# Altium PCB PCB_LoraE32_Receive_V1.0.PcbDoc
Units mm, origin at the board's own origin, x right, y up, seen from the top; angles counter-clockwise.
Board outline 83.87 x 68.49 mm, 2 copper layers (Top Layer, Bottom Layer); 18 components, 19 nets, 96 pads, 5 vias.
Unrouted connection lines stored in the file: 1.
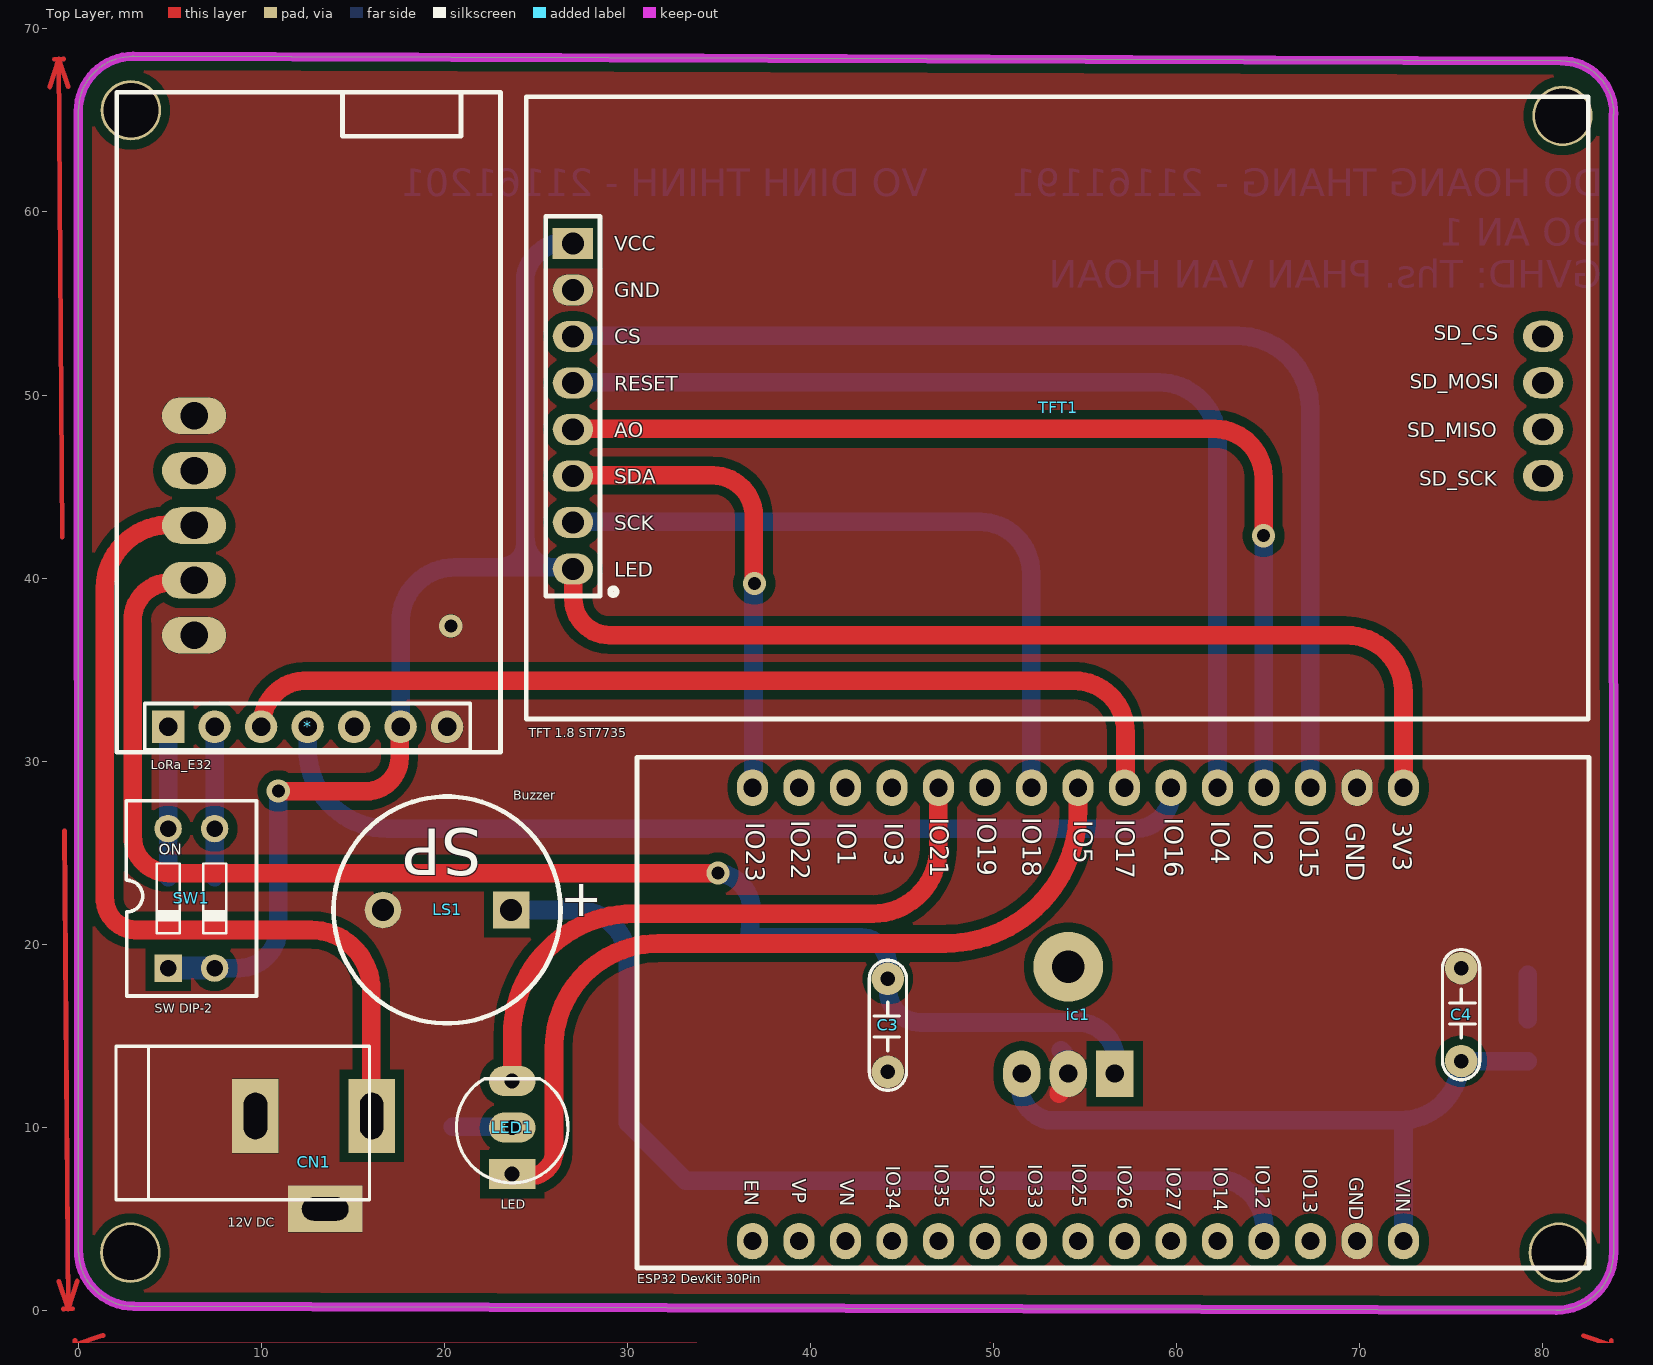
[diagram p0: Top Layer view]
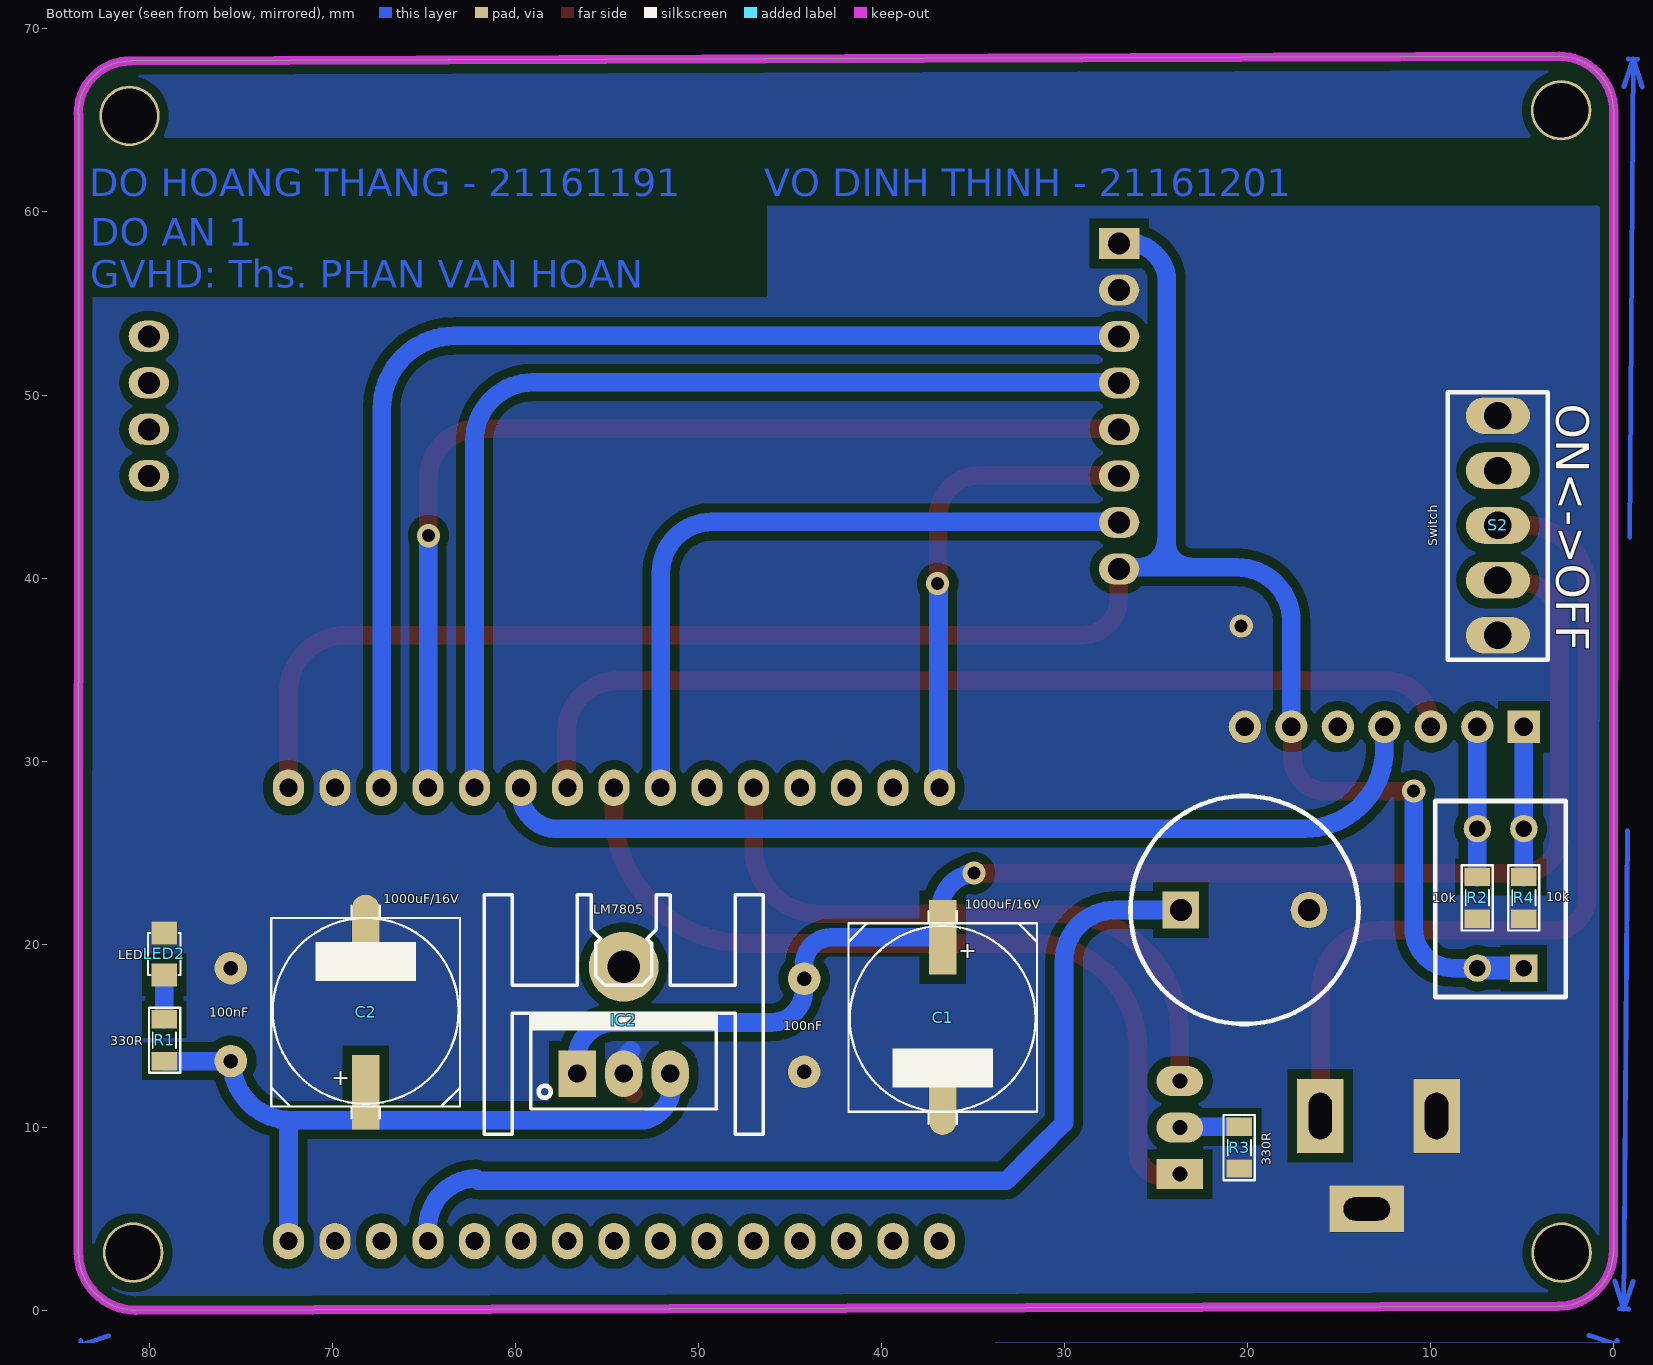
[diagram p1: Bottom Layer view, seen from below]

## Layer stack, top to bottom
Top Solder: solder mask 0.0102, Solder Resist, Dk 3.5
Top Layer: signal copper 0.0356
Dielectric 1: dielectric 0.32, FR-4, Dk 4.8
Bottom Layer: signal copper 0.0356
Bottom Solder: solder mask 0.0102, Solder Resist, Dk 3.5

## Board outline
3.022,0.219 cw(c3.047,3.257) 0.008,3.281 0.001,65.508 0,65.508 cw(c2.994,65.508) 2.994,68.501 81.003,68.251 cw(c81.026,65.407) 83.87,65.338 83.845,65.329 83.867,3.172 cw(c80.722,3.151) 80.737,0.006

## Design rules (kind name [scope] priority, off if disabled: settings)
Clearance [All] p1: gap=0.508 ignorepadtopadclearanceinfootprint=FALSE
PlaneConnect [All] p1: planeconnectstyle=Relief reliefexpansion=0.762 reliefentries=4 reliefconductorwidth=0.254 reliefairgap=0.254
PolygonConnect [All] p1: connectstyle=Relief reliefconductorwidth=0 reliefentries=4 polygonreliefangle="90 Angle" airgapwidth=0
RoomDefinition Sheet_LoraE32_Receive_V1.0 [InComponentClass('Sheet_LoraE32_Receive_V1.0')] p1: confinementstyle=ConfineIn formatcopy=TRUE lockcomponents=FALSE outline -39.624,-57.658 11.176,-57.658 11.176,-32.258 -39.624,-32.258
RoutingVias [All] p1: holewidth=0.8 width=1.7 viastyle="Through Hole" minholewidth=0.711 minwidth=1.27 maxholewidth=0.711 maxwidth=1.27
SolderMaskExpansion [All] p1: expansion=0.102 istentingtop=FALSE
Width [All] p1: maxlimit=1.778 minlimit=0.508 preferedwidth=1.016 minimp=50.000000 maximp=50.000000 favimp=50.000000
29 further rules are at their usual default settings.

## Components (designator, comment, footprint, x,y, rotation, side; value= is the part's Value field where it differs from the comment)
* "LoRa_E32" LoRa_E32 11.125,28.448 r90 top
C1 "1000uF/16V" CAP-ALU-SMD-G 36.652,15.926 r270 bottom
C2 "1000uF/16V" CAP-ALU-SMD-G 68.174,16.358 r90 bottom
C3 "100nF" CN2 44.221,13.03 r90 top value=0.1uF
C4 "100nF" CN2 75.54,18.694 r270 top value=0.1uF
CN1 "12V DC" DC-IN 12.852,8.077 r0 top value="Jac DC"
ic1 "ESP32 DevKit 30Pin" "ESP32 DevKit V1 30Pin CAo" 84.895,33.274 r180 top
IC2 "LM7805" TO220H1 54.077,12.929 r180 bottom
LED1 "LED" LED-52 23.698,7.442 r90 top value="LED 3 - 5 ly 2 Colour"
LED2 "LED" LED-0805-Green 79.172,18.324 r90 bottom value="LED 3 - 5 ly 2 Colour"
LS1 "Buzzer" SPEAKER 20.142,21.869 r180 top
R1 "330R" RES-SMD-0805 79.172,14.757 r90 bottom
R2 "10k" RES-SMD-0805 7.442,22.53 r270 bottom
R3 "330R" RES-SMD-0805 20.447,8.89 r270 bottom
R4 "10k" RES-SMD-0805 4.902,22.53 r270 bottom
S2 "Switch" Switch 6.325,48.875 r270 bottom
SW1 "SW DIP-2" DIPSW2 4.902,18.694 r0 top
TFT1 "TFT 1.8 ST7735" "TFT 1.8 ST7735" 53.518,49.301 r0 top

## Footprints (in the part's own frame and the unit in brackets; to place one, negate y for a bottom-side part, rotate by r counter-clockwise, add the part's x,y. Pads: shape width x height; smd on the part's side, far side on the other; paste and mask are expansions set on the pad)
CAP-ALU-SMD-G [mil]
  rect 160x59.06 smd: 1(-175,0)
  oval 160x59.06 smd: 2(170,0)
  silkscreen extent -231,-203 226,203, body extent -233,-203 223,203, height 402
CN2 [mil]
  round 70 hole 31: 1(0,0) 2(200,0)
  silkscreen extent -40,-40 240,40, body extent -54,-44 260,55, height 407
DC-IN [mil] "Jac DC input"
  rect 100x160 hole 50 slot 100 at 90 deg: 1(125,100) 2(-125,100)
  rect 160x100 hole 50 slot 100 at 0 deg: 3(25,-100)
  silkscreen extent -425,-80 120,250, body extent -410,-105 134,269, height 434
DIPSW2 [mm]
  rect 1.5x1.5 hole 0.9: 1(0,0)
  round 1.5 hole 0.9: 2(2.54,0) 3(2.54,7.62) 4(0,7.62)
  silkscreen extent -2.27,-1.53 4.83,9.14, body extent -2.02,-1.27 4.56,8.89, height 7.11
"ESP32 DevKit V1 30Pin CAo" [mm]
  oval 1.7x2 hole 1: 1(12.505,4.719) 2(15.045,4.719) 3(17.585,4.719) 4(20.125,4.719) 5(22.665,4.719) 6(25.205,4.719) 7(27.745,4.719) 8(30.285,4.719) 9(32.825,4.719) 10(35.365,4.719) 11(37.905,4.719) 12(40.445,4.719) 13(42.985,4.719) 14(45.525,4.719) 15(48.065,4.719) 16(48.065,29.489) 17(45.525,29.489) 18(42.985,29.489) 19(40.445,29.489) 20(37.905,29.489) 21(35.365,29.489) 22(32.825,29.489) 23(30.285,29.489) 24(27.745,29.489) 25(25.205,29.489) 26(22.665,29.489) 27(20.125,29.489) 28(17.585,29.489) 29(15.045,29.489) 30(12.505,29.489)
  silkscreen extent 2.38,3.06 54.38,30.96, body extent 2.54,2.91 53.47,31.41, height 13.7
LED-52 [mil] "LED 3 PIN, 5 ly , Two colour"
  rect 65x100 hole 32: 1(0,0)
  oval 65x100 hole 32: 2(100,0) 3(200,0)
  silkscreen extent -19,-120 205,120, body extent -16,-116 210,116, height 427
LED-0805-Green [mil]
  rect 50x55 smd: 1(0,0) 2(90,0)
  silkscreen extent 0,-35 90,35, body extent 5,-25 85,25, height 43
LoRa_E32 [mil]
  rect 70x70 hole 40: 1(135,245)
  round 70 hole 40: 2(135,145) 3(135,45) 4(135,-55) 5(135,-155) 6(135,-255) 7(135,-355)
  silkscreen extent 80,-470 1500,355, body extent 75,-470 1985,357, height 311
RES-SMD-0805 [mil]
  rect 39.37x55 smd: 1(-45,0) 2(45,0)
  silkscreen extent -70,-34 70,33, body extent -39,-25 39,25, height 31
SPEAKER [mm] "Speaker footprint"
  rect 2x2 hole 1.2: 1(-3.5,0)
  round 2 hole 1.2: 2(3.5,0)
  silkscreen extent -6.2,-6.2 6.2,6.2, body extent -6.2,-6.2 6.2,6.2, height 10.02
Switch [mm]
  oval 2x3.5 hole 1.5: 1(3,0) 2(6,0) 3(9,0) 4(0,0) 5(12,0)
  silkscreen extent -1.27,-2.73 13.34,2.73, body extent -0.5,-2.85 12.5,9.35, height 2.6
"TFT 1.8 ST7735" [mm] "TFT LCD Display ST7735 1.8 inch RED"
  oval 2.2x1.7 hole 1.2: 0(26.502,-3.713) 0(26.502,-1.173) 0(26.502,1.367) 0(26.502,3.907) 1(-26.502,-8.798) 2(-26.502,-6.258) 3(-26.502,-3.718) 4(-26.502,-1.178) 5(-26.502,1.362) 6(-26.502,3.902) 7(-26.502,6.442)
  rect 2.2x1.7 hole 1.2: 8(-26.502,8.982)
  round 3.6 on Top Overlay: ""(-26.045,-14) ""(-26.045,14) ""(25.955,-14) ""(25.955,14)
  silkscreen extent -29.05,-17 28.95,17, body extent -29.05,-17.23 28.95,17.27, height 7.16
TO220H1 [mil] "TO-220 - 1-2-3"
  round 150 hole 70: 0(0,230)
  rect 80x100 hole 39: 1(-100,0)
  oval 80x100 hole 39: 2(0,0) 3(100,0)
  silkscreen extent -300,-130 300,385, body extent -246,-82 250,329, height 1000

## Part data
C1 C2: library part CN-ALU-SMD, "Polarized Capacitor (Axial)", LatestRevisionDate=17-Jul-2002, LatestRevisionNote="Re-released for DXP Platform.", PackageReference=POLAR0.8, Published=8-Jun-2000, Publisher="Altium Limited"
C3 C4: library part CN2, "Cap np 104 => 105pF"
CN1: library part DCIN, "Jac DC input"
IC2: library part LM78xx, "Positive Voltage Regulator", ComponentLink1Description="Manufacturer Link", ComponentLink1URL=http://www.st.com/, ComponentLink2Description=Datasheet, ComponentLink2URL=http://www.st.com/stonline/products/literature/ds/2146/l78m05c.pdf, DatasheetVersion=Apr-1994, LatestRevisionDate=17-Jul-2002, LatestRevisionNote="Re-released for DXP Platform.", Note="Tab is connected to pin 3 (GND).", PackageDescription="TO, Thru-Hole, Vertical, Heatsink Mounted; 3 In-Line Leads; Pitch 2.54 mm; Pin sequence 1, 3, 2", PackageReference=ISOWATT220AB, PackageVersion=Jul-1998, Published=24-Aug-2001, Publisher="Altium Limited"
LED1: library part "LED 2A", "Anot Comment Green and Red"
LED2: library part "LED SMD"
LS1: library part Speaker, "Loudspeaker", LatestRevisionDate=17-Jul-2002, LatestRevisionNote="Re-released for DXP Platform.", PackageReference=PIN2, Published=24-Mar-1999, Publisher="Altium Limited"
R1 R2 R3 R4: library part Res-SMD, "Resistor", Manufacturer="Generic Components", Class=Passive, Published=08/06/2000, Publisher="Altium Hobart Technology Centre"
SW1: "DIP Switch, 2 Position, SPST", ComponentLink1Description="Digikey Part Link", ComponentLink2Description="Open Datasheet", ComponentLink2URL=H:\LIBRARY\LIBRARY.Datasheet\, LatestRevisionDate=17-Jul-2002, LatestRevisionNote="Re-released for DXP Platform.", PackageReference=DIP-4, Published=24-Mar-1999, Publisher="Altium Limited", Vendor=Digikey
TFT1: "TFT LCD 1.8 inch RED BLUE 8pin", ComponentLink1Description="New link", ComponentLink1URL=https://grabcad.com/library/1-8-tft-128x160-spi-step-1

## Free pads (board coordinates)
  round 3.3 hole 3: 0(2.845,3.15) 0(2.87,65.557) 0(80.874,3.15) 0(81.077,65.253)

## Via types
v1: diameter 1.27, hole 0.711, Top Layer to Bottom Layer, 5 vias

## Nets (pads, with @x,y where several pads share a name; then routed paths per layer and width w, separated by ;. In a path a pad name is that pad's centre, name@x,y a point inside that pad or via, vN(x,y) a via of type N, cw(c..) or ccw(c..) an arc to the next point about the centre after c; other vN are vias at no path point)
3.3V: *.6 ic1.1 SW1.1 SW1.2 TFT1.1 TFT1.8 | length 120.5
  Top Layer w1.016: v1(10.922,28.372) 10.947,28.346 15.697,28.346 ccw(c15.697,30.201) 17.551,30.201 17.551,31.826 *.6 ; TFT1.1@27.041,40.529 27.041,38.875 ccw(c29.032,38.872) 29.035,36.881 69.266,36.881 cw(c69.266,33.757) 72.39,33.757 ic1.1
  Bottom Layer w1.016: SW1.2 8.763,18.694 ccw(c8.763,20.853) 10.922,20.853 v1(10.922,28.372) ; *.6 17.602,37.617 cw(c20.574,37.617) 20.574,40.589 23.165,40.589 25.086,40.589 ; 23.165,40.615 ccw(c23.076,41.974) 24.435,42.062 ccw(c25.971,42.125) TFT1.1@26.033,40.589 ; TFT1.1@27.041,40.529 26.981,40.589 TFT1.1@26.033,40.589 ; TFT1.8@27.041,58.309 26.449,58.34 ccw(c26.627,56.101) 24.419,56.515 24.419,56.091 24.419,56.022 24.419,42.062 24.419,41.256 25.086,40.589 ; 25.086,40.589 TFT1.1@26.033,40.589
  Bottom Layer w1.27: SW1.1 SW1.2
5V: C2.1 C4.2 ic1.30 IC2.3 R1.1 | length 38
  Bottom Layer w1.016: IC2.3 51.483,12.683 51.482,12.679 ccw(c53.36,12.267) 52.948,10.389 53.561,10.389 68.174,10.389 72.263,10.389 ; 72.314,10.389 72.267,10.389 ; ic1.30 72.39,10.389 ; R1.1 C4.2 75.489,13.614 cw(c72.263,13.614) 72.267,10.389 ; 72.263,10.389 ccw(c72.263,13.614) 72.267,10.389 ; 72.263,10.389 72.267,10.389
D2: ic1.4 TFT1.4 | length 56.2
  Top Layer w1.016: TFT1.4@27.041,48.149 62.062,48.149 cw(c62.062,45.466) 64.745,45.466 64.745,45.463 v1(64.745,42.316)
  Bottom Layer w1.016: v1(64.745,42.316) 64.757,42.304 64.757,28.567 ic1.4
D4: ic1.5 TFT1.5 | length 56
  Bottom Layer w1.016: TFT1.5@27.041,50.689 59.039,50.689 cw(c59.039,47.498) 62.23,47.498 ic1.5
D5: ic1.8 LED1.1 | length 46
  Top Layer w1.016: LED1.1 24.476,7.345 ccw(c24.647,8.682) 25.984,8.515 25.984,10.027 25.984,14.326 cw(c31.699,14.326) 31.699,20.041 47.342,20.041 47.346,20.041 ccw(c47.346,27.305) 54.61,27.305 54.61,27.308 ic1.8
D12: ic1.27 LS1.1 | length 55.2
  Bottom Layer w1.016: LS1.1 27.229,21.869 cw(c27.229,19.071) 30.027,19.071 30.027,12.365 30.027,10.231 31.536,8.722 33.172,7.087 62.023,7.087 62.15,7.214 cw(c62.046,4.468) 64.792,4.364 64.792,4.361 ic1.27
D15: ic1.3 TFT1.6 | length 63.2
  Bottom Layer w1.016: TFT1.6@27.041,53.229 63.332,53.229 cw(c63.332,49.276) 67.285,49.276 67.285,49.273 67.285,28.58 ic1.3
D18: ic1.9 TFT1.2 | length 38.3
  Bottom Layer w1.016: TFT1.2@27.041,43.069 49.26,43.069 cw(c49.26,40.284) 52.045,40.284 52.045,28.58 ic1.9
D21: ic1.11 LED1.3 | length 34.9
  Top Layer w1.016: LED1.3 23.698,15.034 23.698,15.037 cw(c30.328,15.037) 30.328,21.666 43.409,21.666 ccw(c43.409,25.236) 46.979,25.236 46.979,28.543 ic1.11
D23: ic1.15 TFT1.3 | length 26
  Top Layer w1.016: TFT1.3@27.041,45.609 34.655,45.609 cw(c34.655,43.358) 36.906,43.358 36.906,39.726 v1(36.932,39.7)
  Bottom Layer w1.016: ic1.15 36.883,28.608 36.883,39.652 v1(36.932,39.7)
GND: *.7 C1.2 C2.2 C3.1 C4.1 CN1.2 CN1.3 ic1.2 ic1.29 IC2.2 LED2.2 LS1.2 R2.2 R3.2 R4.2 S2.4 S2.5 TFT1.7 | length 1.5
  Top Layer w1.016: IC2.2@53.569,11.833 IC2.2@53.569,11.892
  Bottom Layer w1.016: 53.678,14.199 53.882,13.994 53.882,13.123 IC2.2
  other v1: 20.345,37.389
Net*_1: *.1 R4.1 SW1.4 | length 8.2
  Bottom Layer w1.016: R4.1 SW1.4 *.1
Net*_2: *.2 R2.1 SW1.3 | length 8.2
  Bottom Layer w1.016: R2.1 SW1.3 *.2
NetC1_1: C1.1 C3.2 IC2.1 S2.3 | length 79.1
  Top Layer w1.016: S2.3 4.843,39.751 ccw(c5.011,37.714) 2.969,37.626 2.975,37.543 2.975,37.505 2.975,25.883 ccw(c4.969,25.88) 4.972,23.885 v1(34.941,23.885)
  Bottom Layer w1.016: v1(34.941,23.885) 34.941,23.882 cw(c34.764,21.877) 36.769,21.701 36.769,21.698 C1.1 42.748,20.371 cw(c42.748,18.898) 44.221,18.898 C3.2 44.221,17.551 ccw(c46.05,17.551) 46.05,15.723 54.257,15.723 54.805,15.723 cw(c54.557,13.612) 56.668,13.364 56.667,13.36 IC2.1
NetCN1_1: CN1.1 S2.2 | length 48.1
  Top Layer w1.016: S2.2 5.095,42.912 5.092,42.912 ccw(c4.986,39.368) 1.442,39.475 1.442,39.458 1.451,22.606 1.451,22.586 ccw(c3.183,22.509) 3.106,20.777 3.134,20.777 12.7,20.777 cw(c12.7,17.475) 16.002,17.475 16.002,17.472 16.002,10.643 CN1.1
NetLED1_2: LED1.2 R3.1 | length 3.3
  Bottom Layer w1.016: R3.1 20.455,10.025 23.655,10.025 LED1.2
NetLED2_1: LED2.1 R1.2 | length 2.4
  Bottom Layer w1.016: R1.2 LED2.1
RX2: *.3 ic1.7 | length 53.4
  Top Layer w1.016: *.3 10.025,31.879 cw(c12.426,31.991) 12.314,34.392 12.341,34.392 54.407,34.392 cw(c54.407,31.598) 57.201,31.598 57.201,28.605 ic1.7
TX2: *.4 ic1.6 | length 52.3
  Bottom Layer w1.016: *.4 12.522,30.683 ccw(c16.891,30.683) 16.891,26.314 57.704,26.314 57.853,26.314 ccw(c57.737,28.277) 59.7,28.392 59.699,28.395 ic1.6
pads on no net: *.5 ic1.10 ic1.12 ic1.13 ic1.14 ic1.16 ic1.17 ic1.18 ic1.19 ic1.20 ic1.21 ic1.22 ic1.23 ic1.24 ic1.25 ic1.26 ic1.28 IC2.0 S2.1 TFT1. TFT1.0

## Polygon pours and split planes (outlines as drawn)
GND on Top Layer "NONET_L-01_P-001" (solid, pour order 1): 0,68.453 83.845,68.453 83.845,0 0,0
GND on Bottom Layer "NONET_L-01_P-001" (solid, pour order 0): 0,68.453 83.82,68.453 83.82,0 0,0

## Keep-outs
Keep-Out Layer:
  lines w0.508: 83.845,65.329 83.867,3.172 cw(c80.722,3.151) 80.737,0.006 3.022,0.219 cw(c3.047,3.257) 0.008,3.281 0.001,65.508 cw(c2.994,65.508) 2.994,68.501 81.003,68.251 cw(c81.026,65.407) 83.87,65.338

## Other copper
Top Layer:
  pour cut-out: 25.15,22.861 34.398,22.861 34.398,22.696 34.13,22.428 26.927,22.428 25.266,20.767 25.214,20.819 25.15,20.819
  pour cut-out: 24.723,13.725 24.723,17.433 27.534,20.244 27.602,20.175 28.106,20.175 28.106,20.041 28.112,20.034 24.959,16.881 24.959,13.72 24.728,13.72
  pour cut-out: 2.486,39.665 3.048,40.226 3.048,41.504 3.48,41.935 5.359,41.935 5.359,41.749 3.275,39.665
Bottom Layer:
  pour cut-out: 5.948,30.459 6.417,30.459 6.417,22.847 6.236,22.665 6.109,22.665 6.109,30.298
  text "DO HOANG THANG - 21161191       VO DINH THINH - 21161201" at 83.261,60.858 h1.52
  text "DO AN 1 / GVHD: Ths. PHAN VAN HOAN" at 83.21,55.855 h1.52
Multi-Layer:
  lines w0.254: -1.563,66.824 -1.067,68.351 ; -1.321,68.35 -0.813,68.353 ; -1.078,1.596 -0.559,0.076 ; -0.873,42.238 -1.067,68.351 ; -0.813,0.074 -0.305,0.078 ; -0.753,26.19 -0.559,0.076 ; -0.547,66.831 -1.067,68.351 ; -0.178,-2.134 -0.178,-1.626 ; -0.062,1.604 -0.559,0.076 ; 1.346,-2.388 -0.178,-1.88 ; 1.346,-1.372 -0.178,-1.88 ; 33.759,-1.89 -0.178,-1.88 ; 49.807,-1.895 83.744,-1.905 ; 82.22,-2.413 83.744,-1.905 ; 82.22,-1.397 83.744,-1.905 ; 83.744,-2.159 83.744,-1.651
  text "68.277 (mm)" at -1.785,41.977 h1.52 r270.43
  text "83.922 (mm)" at 34.013,-2.804 h1.52 r359.98

## Text inside footprints (layer, text, board x,y; h text height)
C1: Bottom Overlay "+" at 35.677,20.126 h0.89 r90
C2: Bottom Overlay "+" at 69.149,12.158 h0.89 r270
ic1: Top Overlay "EN" at 36.405,7.124 h0.76 r270; Top Overlay "VP" at 39.005,7.184 h0.76 r270; Top Overlay "VN" at 41.615,7.154 h0.76 r270; Top Overlay "IO34" at 44.135,7.894 h0.76 r270; Top Overlay "IO35" at 46.795,8.004 h0.76 r270; Top Overlay "IO32" at 49.255,7.974 h0.76 r270; Top Overlay "IO33" at 51.885,7.974 h0.76 r270; Top Overlay "IO25" at 54.305,8.024 h0.76 r270; Top Overlay "IO26" at 56.775,7.964 h0.76 r270; Top Overlay "IO27" at 59.455,7.854 h0.76 r270; Top Overlay "IO14" at 62.025,7.854 h0.76 r270; Top Overlay "IO12" at 64.315,7.964 h0.76 r270; Top Overlay "IO13" at 66.905,7.734 h0.76 r270; Top Overlay "GND" at 69.435,7.284 h0.76 r270; Top Overlay "VIN" at 71.995,7.134 h0.76 r270; Top Overlay "IO23" at 36.485,26.664 h1.02 r270; Top Overlay "IO22" at 38.945,26.784 h1.02 r270; Top Overlay "IO1" at 41.475,26.664 h1.02 r270; Top Overlay "IO3" at 44.055,26.624 h1.02 r270; Top Overlay "IO21" at 46.545,26.904 h1.02 r270; Top Overlay "IO19" at 49.125,26.984 h1.02 r270; Top Overlay "IO18" at 51.585,26.944 h1.02 r270; Top Overlay "IO5" at 54.395,26.784 h1.02 r270; Top Overlay "IO17" at 56.695,26.824 h1.02 r270; Top Overlay "IO16" at 59.345,26.904 h1.02 r270; Top Overlay "IO4" at 61.885,26.754 h1.02 r270; Top Overlay "IO2" at 64.225,26.634 h1.02 r270; Top Overlay "IO15" at 66.755,26.834 h1.02 r270; Top Overlay "GND" at 69.255,26.634 h1.02 r270; Top Overlay "3V3" at 71.834,26.699 h1.02 r270
LS1: Top Overlay "SP" at 22.047,26.314 h2.54 r180; Top Overlay "+" at 28.651,23.266 h2.03 r180
S2: Bottom Overlay "ON<->OFF" at 3.15,49.51 h1.8 r90
SW1: Top Overlay "ON" at 4.405,24.662 h1.02
TFT1: Top Overlay "SD_SCK" at 73.254,45.039 h0.8; Top Overlay "SD_MISO" at 72.587,47.688 h0.8; Top Overlay "SD_MOSI" at 72.721,50.336 h0.8; Top Overlay "SD_CS" at 74.053,52.985 h0.8; Top Overlay "LED" at 29.289,40.067 h0.8; Top Overlay "SCK" at 29.289,42.612 h0.8; Top Overlay "SDA" at 29.289,45.156 h0.8; Top Overlay "AO" at 29.289,47.7 h0.8; Top Overlay "RESET" at 29.289,50.244 h0.8; Top Overlay "CS" at 29.289,52.788 h0.8; Top Overlay "GND" at 29.289,55.332 h0.8; Top Overlay "VCC" at 29.289,57.876 h0.8